# KiCad board TEC.kicad_pcb (continued)
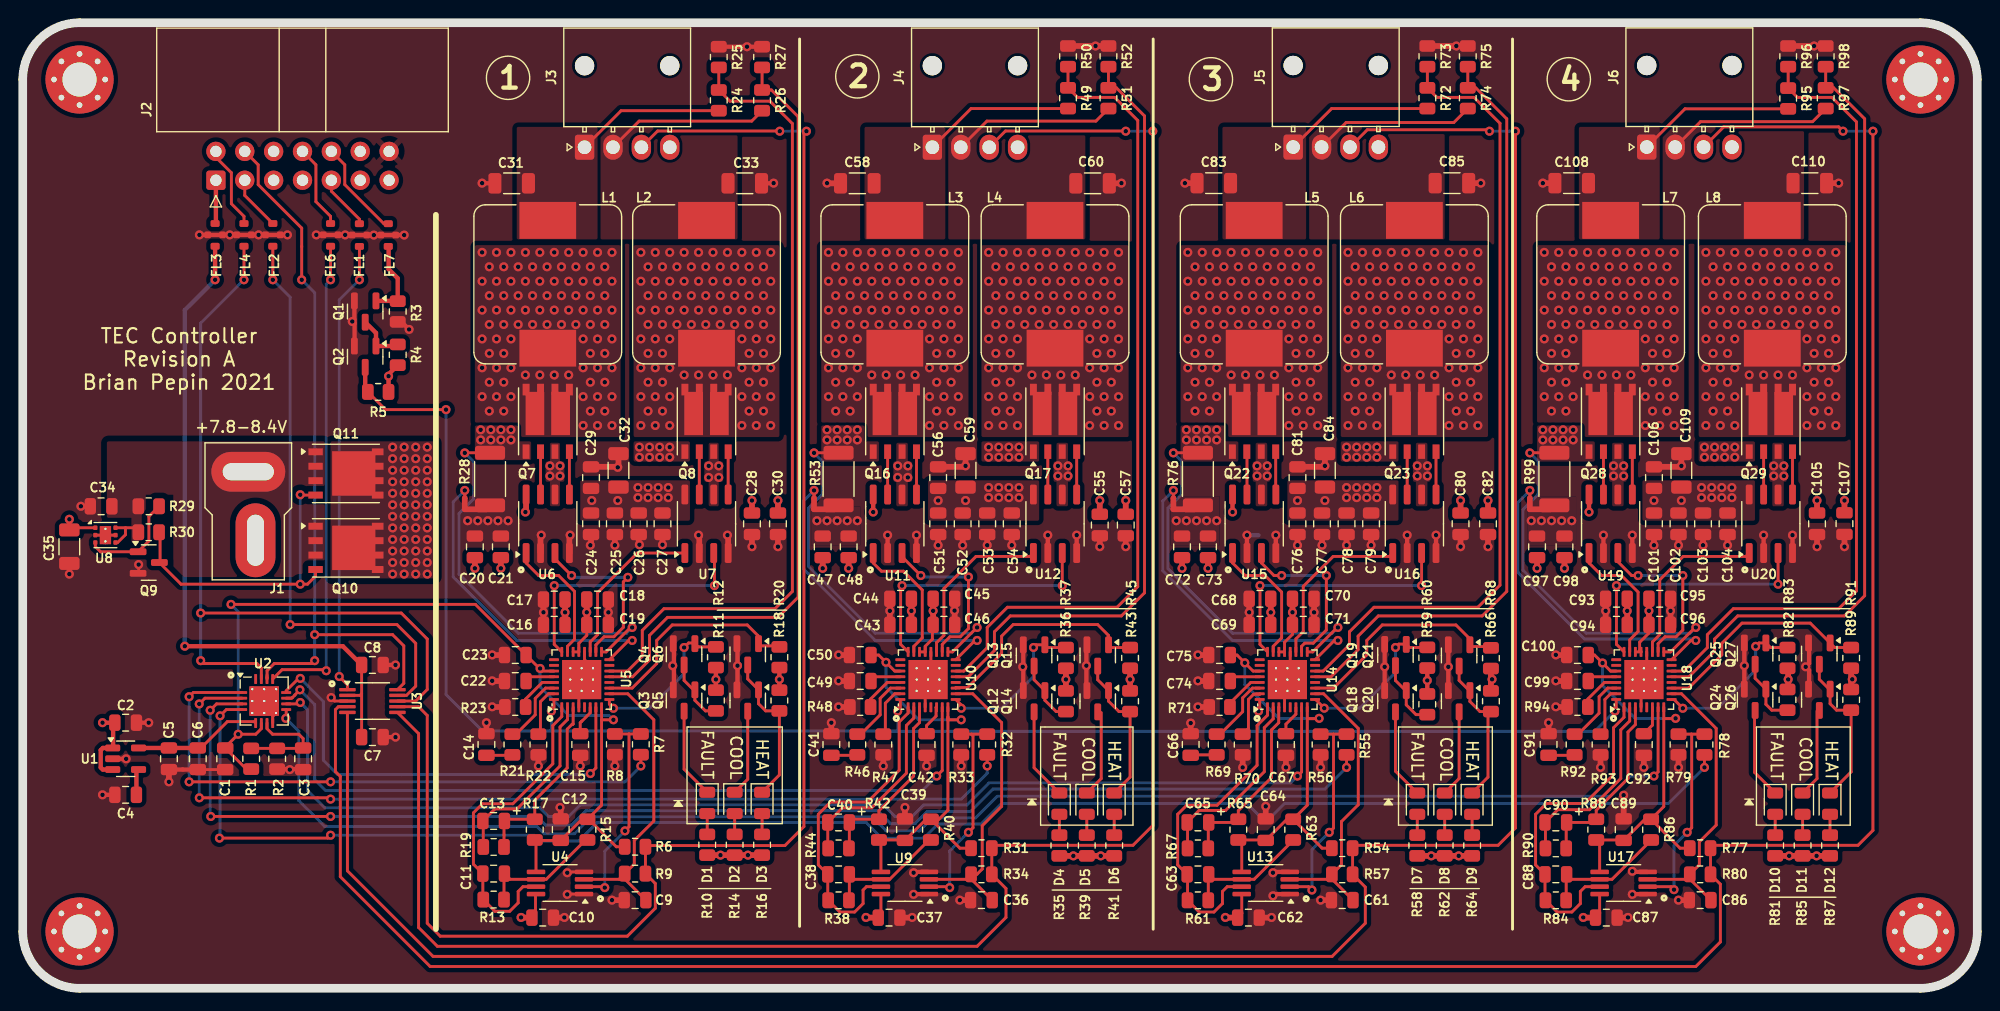
[diagram p0: board, top side]
## Routing (per net, layer and track width the routed paths; a pad name or vN(x,y) marks a point on that pad's centre or on a via; arc(x,y) is an arc through that point) (continued)
/TEMPGET2: length 171.1
  Top w0.254: v1(97.07,75.45) 97.08,75.47 97.18,75.47 86.48,75.47 J4.3 ; U3.6 34.84,22.42 34.84,5.35 36.49,3.7 83.99,3.7 86.53,6.24 86.53,8.78 R34.2 R31.2 85.53,12.59 97.7,12.59 99.45,14.33 v1(99.45,75.45)
  Bottom w0.254: v1(97.07,75.45) v1(99.45,75.45)
/TEMPGET3: length 206.6
  Top w0.254: v1(129.07,75.45) 128.94,75.58 118.32,75.58 J5.3 ; U3.5 28.57,10.34 36.11,2.81 115.23,2.81 118.15,5.73 118.15,8.91 R57.2 R54.2 117.28,12.59 129.83,12.59 131.36,14.11 v1(131.36,75.45)
  Bottom w0.254: v1(129.07,75.45) v1(131.36,75.45)
/TEMPGET4: length 242.6
  Top w0.254: v1(162.82,75.45) 162.82,13.9 161.5,12.59 148.78,12.59 R77.2 R80.2 149.39,9.16 149.39,4.08 147.23,1.92 35.85,1.92 27.95,9.82 27.95,18.65 27.52,19.08 27.52,24.53 27.77,24.79 U3.4 ; J6.3 149.69,75.83 159.8,75.83 v1(160.19,75.45)
  Bottom w0.254: v1(160.19,75.45) v1(162.82,75.45)
/TEMPSET1: length 53.6
  Top w0.254: v1(27.09,18.17) v1(14.64,18.17) ; R7.2 v1(54.39,19.57) ; v1(14.64,25.67) 15.01,26.04 U2.1
  Bottom w0.254: v1(27.09,18.17) 53,18.17 v1(54.39,19.57) ; v1(14.64,25.67) v1(14.64,18.17)
/TEMPSET2: length 84.2
  Top w0.254: U2.2 16.04,25.54 v1(15.53,25.03) ; v1(27.09,16.65) 26.97,16.77 v1(15.54,16.77) ; R32.2 v1(84.87,19.57)
  Bottom w0.254: v1(84.87,19.57) 84.87,18.94 82.59,16.65 v1(27.09,16.65) ; v1(15.54,16.77) 15.53,16.78 v1(15.53,25.03)
/TEMPSET3: length 116.8
  Top w0.254: v1(16.55,15.13) v1(27.09,15.13) ; U2.3 17.05,25.04 v1(16.49,24.47) ; R55.2 v1(116.5,19.44)
  Bottom w0.254: v1(16.55,15.13) 16.49,15.18 v1(16.49,24.47) ; v1(27.09,15.13) 45.25,15.13 46.01,14.36 48.3,14.36 49.57,15.63 75.22,15.63 76.36,14.49 78.52,14.49 79.59,15.56 83.4,15.56 85.38,17.54 114.59,17.54 v1(116.5,19.44)
/TEMPSET4: length 149.8
  Top w0.254: v1(27.09,13.47) 26.83,13.22 v1(17.31,13.22) ; v1(17.37,23.98) 17.92,24.54 U2.4 ; R78.2 v1(147.99,19.44)
  Bottom w0.254: v1(147.99,19.44) 144.82,16.27 111.04,16.27 109.89,15.13 108.88,15.13 107.73,16.27 86.14,16.27 84.33,14.46 80.52,14.46 79.29,13.22 75.6,13.22 74.24,14.59 50.55,14.59 48.93,12.97 45.5,12.97 45,13.47 v1(27.09,13.47) ; v1(17.37,23.98) 17.37,13.28 v1(17.31,13.22)
/VREF: length 83.2
  Top w0.254: v1(51.98,23.64) 50.97,23.64 50.94,23.61 ; U2.6 21,22.86 20.51,22.37 v1(18.96,22.37) 17.82,21.22 ; 50.94,23.61 U5.8 ; 50.94,23.61 50.94,16.12 R15.1 ; R1.1 19.68,19.29 C1.2 ; R6.1 52.23,12.46 49.81,14.88 R15.1 ; R15.1 49.21,14.88 47.35,13.02 45.1,13.02 R17.2 45.17,12.94 U4.5 ; v1(18.33,33.8) 39.83,33.8 C23.1 45.7,27.92 U5.27
  Bottom w0.254: v1(45.53,28.16) 45.53,26.53 48.04,24.02 51.6,24.02 v1(51.98,23.64) ; v1(18.33,33.8) 18.96,33.16 v1(18.96,22.37)
/VREF2: length 9.4
  Top w0.254: U2.7 21.5,22.86 21.99,22.36 24.3,22.36 24.68,21.98 C3.2 24.64,21.12 R2.1 R1.2
Net-(C14-Pad1): length 2.3
  Top w0.254: R21.2 43.05,20.51 C14.1
Net-(C41-Pad1): length 2.3
  Top w0.254: C41.1 73.41,20.51 R46.2
Net-(C66-Pad1): length 2.3
  Top w0.254: R69.2 102.82,20.55 C66.1
Net-(C91-Pad1): length 2.3
  Top w0.254: R92.2 136.53,20.51 C91.1
Net-(D1-A): length 1.8
  Top w0.254: D1.2 R10.1
Net-(D1-K): length 8
  Top w0.254: Q3.3 58.2,19.29 D1.1
Net-(D2-A): length 1.8
  Top w0.254: R14.1 D2.2
Net-(D2-K): length 7.6
  Top w0.254: D2.1 63.8,18.41 Q5.3
Net-(D3-A): length 1.8
  Top w0.254: D3.2 R16.1
Net-(D3-K): length 13.7
  Top w0.254: D3.1 66.59,18.78 R18.1 65.38,24.42 64.75,25.05 64.75,26.28 63.8,27.23 Q6.3
Net-(D4-A): length 1.8
  Top w0.254: R35.1 D4.2
Net-(D4-K): length 8.1
  Top w0.254: D4.1 89,19.41 Q12.3
Net-(D5-A): length 1.8
  Top w0.254: R39.1 D5.2
Net-(D5-K): length 7.6
  Top w0.254: 94.91,24.27 94.91,18.46 D5.1
Net-(D6-A): length 1.8
  Top w0.254: R41.1 D6.2
Net-(D6-K): length 13.5
  Top w0.254: R43.1 97.45,18.59 D6.1 ; R43.1 96.47,24.36 95.55,25.28 Q14.1 94.6,27.16 Q15.3 ; R43.1 97.45,24.38
Net-(D7-A): length 1.8
  Top w0.254: R58.1 D7.2
Net-(D7-K): length 7.9
  Top w0.254: D7.1 120.8,19.11 Q18.3
Net-(D8-A): length 1.8
  Top w0.254: D8.2 R62.1
Net-(D8-K): length 7.6
  Top w0.254: D8.1 126.4,18.46 126.4,24.27
Net-(D9-A): length 1.8
  Top w0.254: R64.1 D9.2
Net-(D9-K): length 13.6
  Top w0.254: 126.4,28.08 126.4,27.1 127.29,26.21 Q20.1 127.35,25.25 128.24,24.36 R66.1 ; D9.1 128.94,18.59 128.94,24.1 R66.1 ; R66.1 128.97,24.36
Net-(D10-A): length 1.8
  Top w0.254: R81.1 D10.2
Net-(D10-K): length 8
  Top w0.254: Q24.3 152.4,24.41 152.4,19.01 D10.1
Net-(D11-A): length 1.8
  Top w0.254: D11.2 R85.1
Net-(D11-K): length 7.7
  Top w0.254: D11.1 157.9,18.46 157.9,24.4
Net-(D12-A): length 1.8
  Top w0.254: R87.1 D12.2
Net-(D12-K): length 13.6
  Top w0.254: D12.1 160.9,19.05 R89.1 159.62,24.48 159.05,25.05 Q26.1 158.97,26.33 158.1,27.2 158.1,28.08 ; 160.64,24.48 160.66,24.48
Net-(J2-Pin_1): length 3.8
  Top w0.381: FL3.3 17,67.39 J2.1
Net-(J2-Pin_2): length 7.4
  Top w0.254: J2.2 17,73.15 18.36,71.79 18.36,69.07 19.47,67.96 FL4.3
Net-(J2-Pin_3): length 4.8
  Top w0.254: J2.3 19.54,69.79 FL2.3
Net-(J2-Pin_8): length 7.4
  Top w0.254: J2.8 25.8,72.49 25.8,69.25 27.09,67.96 FL6.3
Net-(J2-Pin_9): length 4.8
  Top w0.254: FL1.3 29.63,67.7 27.16,70.17 J2.9
Net-(J2-Pin_10): length 8.7
  Top w0.254: J2.10 28.34,72.49 28.34,70.75 31.78,67.31 FL7.3
Net-(Q1-D): length 4.5
  Top w0.381: R4.1 32.86,56.54 Q2.1 31.09,57.69 Q1.3
Net-(Q3-G): length 6.8
  Top w0.254: R11.1 60.08,24.42 59.15,25.35 Q3.1 59.03,26.27 58.2,27.1 Q4.3 ; 60.48,24.42 61.51,24.42
Net-(Q7-D1):
  vias: v1(40.42,64.78) v1(40.42,62.24) v1(40.42,59.7) v1(40.42,57.16) v1(40.42,54.62) v1(40.42,52.08) v1(41.06,63.51) v1(41.06,60.97) v1(41.06,58.43) v1(41.06,55.89) v1(41.06,53.35) v1(41.06,50.81) v1(41.69,64.78) v1(41.69,62.24) v1(41.69,59.7) v1(41.69,57.16) v1(41.69,54.62) v1(41.69,52.08) v1(42.33,63.51) v1(42.33,60.97) v1(42.33,58.43) v1(42.33,55.89) v1(42.33,53.35) v1(42.33,50.81) v1(42.96,64.78) v1(42.96,62.24) v1(42.96,59.7) v1(42.96,57.16) v1(42.96,54.62) v1(42.96,52.08) v1(43.6,63.51) v1(43.6,60.97) v1(43.6,58.43) v1(44.23,64.78) v1(44.23,62.24) v1(44.23,59.7) v1(44.23,53.99) v1(44.87,63.51) v1(44.87,60.97) v1(44.87,58.43) v1(45.5,64.78) v1(45.5,62.24) v1(45.5,59.7) v1(45.5,53.99) v1(46.14,63.51) v1(46.14,60.97) v1(46.14,58.43) v1(46.77,64.78) v1(46.77,62.24) v1(46.77,59.7) v1(46.77,53.99) v1(47.41,63.51) v1(47.41,60.97) v1(47.41,58.43) v1(48.04,64.78) v1(48.04,62.24) v1(48.04,59.7) v1(48.04,53.99) v1(48.68,63.51) v1(48.68,60.97) v1(48.68,58.43) v1(49.31,64.78) v1(49.31,62.24) v1(49.31,59.7) v1(49.31,57.16) v1(49.31,54.62) v1(49.31,52.08) v1(49.31,49.54) v1(49.95,63.51) v1(49.95,60.97) v1(49.95,58.43) v1(49.95,55.89) v1(49.95,53.35) v1(49.95,50.81) v1(50.58,64.78) v1(50.58,62.24) v1(50.58,59.7) v1(50.58,57.16) v1(50.58,54.62) v1(50.58,52.08) v1(50.58,49.54) v1(51.22,63.51) v1(51.22,60.97) v1(51.22,58.43) v1(51.22,55.89) v1(51.22,53.35) v1(51.22,50.81) v1(51.85,64.78) v1(51.85,62.24) v1(51.85,59.7) v1(51.85,57.16) v1(51.85,54.62) v1(51.85,52.08) v1(51.85,49.54)
Net-(Q7-G1): length 3.8
  Top w0.254: Q7.2 U6.7
Net-(Q7-G2): length 3.8
  Top w0.254: Q7.4 U6.5
Net-(Q7-S1): length 34.9
  Top w0.254: R28.2 38.91,47.14 v1(38.9,47.13) ; U5.17 51.34,29.61 53.49,31.76 v1(53.63,31.76)
  Bottom w0.254: v1(38.9,47.13) 39.66,46.37 39.66,43.07 38.39,41.8 38.39,36.46 43.6,31.25 53.12,31.25 v1(53.63,31.76)
  vias: v1(40.3,49.16) v1(40.3,48.27) v1(41.19,49.16) v1(41.19,48.27) v1(42.08,49.16) v1(42.08,48.27) v1(42.96,49.16) v1(42.96,48.27) v1(54.27,47.64) v1(54.27,46.75) v1(55.16,47.64) v1(55.16,46.75) v1(56.05,47.64) v1(56.05,46.75) v1(56.93,47.64) v1(56.93,46.75)
Net-(Q8-D1):
  vias: v1(54.39,64.78) v1(54.39,62.24) v1(54.39,59.7) v1(54.39,57.16) v1(54.39,54.62) v1(54.39,52.08) v1(54.39,49.54) v1(55.03,63.51) v1(55.03,60.97) v1(55.03,58.43) v1(55.03,55.89) v1(55.03,53.35) v1(55.03,50.81) v1(55.66,64.78) v1(55.66,62.24) v1(55.66,59.7) v1(55.66,57.16) v1(55.66,54.62) v1(55.66,52.08) v1(55.66,49.54) v1(56.3,63.51) v1(56.3,60.97) v1(56.3,58.43) v1(56.3,55.89) v1(56.3,53.35) v1(56.3,50.81) v1(56.93,64.78) v1(56.93,62.24) v1(56.93,59.7) v1(56.93,57.16) v1(56.93,54.62) v1(56.93,52.08) v1(56.93,49.54) v1(57.57,63.51) v1(57.57,60.97) v1(57.57,58.43) v1(58.2,64.78) v1(58.2,62.24) v1(58.2,59.7) v1(58.2,53.99) v1(58.84,63.51) v1(58.84,60.97) v1(58.84,58.43) v1(59.47,64.78) v1(59.47,62.24) v1(59.47,59.7) v1(59.47,53.99) v1(60.11,63.51) v1(60.11,60.97) v1(60.11,58.43) v1(60.74,64.78) v1(60.74,62.24) v1(60.74,59.7) v1(60.74,53.99) v1(61.38,63.51) v1(61.38,60.97) v1(61.38,58.43) v1(62.01,64.78) v1(62.01,62.24) v1(62.01,59.7) v1(62.01,53.99) v1(62.65,63.51) v1(62.65,60.97) v1(62.65,58.43) v1(63.28,64.78) v1(63.28,62.24) v1(63.28,59.7) v1(63.28,57.16) v1(63.28,54.62) v1(63.28,52.08) v1(63.28,49.54) v1(63.92,63.51) v1(63.92,60.97) v1(63.92,58.43) v1(63.92,55.89) v1(63.92,53.35) v1(63.92,50.81) v1(64.55,64.78) v1(64.55,62.24) v1(64.55,59.7) v1(64.55,57.16) v1(64.55,54.62) v1(64.55,52.08) v1(64.55,49.54) v1(65.19,63.51) v1(65.19,60.97) v1(65.19,58.43) v1(65.19,55.89) v1(65.19,53.35) v1(65.19,50.81) v1(65.82,64.78) v1(65.82,62.24) v1(65.82,59.7) v1(65.82,57.16) v1(65.82,54.62) v1(65.82,52.08) v1(65.82,49.54)
Net-(Q8-G1): length 3.8
  Top w0.254: Q8.2 U7.7
Net-(Q8-G2): length 3.8
  Top w0.254: Q8.4 U7.5
Net-(Q9-G): length 9.1
  Top w0.254: U8.3 6.39,38.88 6.85,38.43 Q9.1 11.1,39.38 11.1,41.53 R29.1
Net-(Q10-G): length 27.3
  Top w0.254: R30.1 12.09,40.06 12.09,37.42 13.93,35.57 v1(24.42,35.57) 25.06,35.57 25.77,36.29 Q10.4 ; v1(24.42,43.45) 24.45,43.42 Q11.4
  Bottom w0.254: v1(24.42,35.57) 24.42,35.57 v1(24.42,43.45)
Net-(Q12-G): length 6.2
  Top w0.254: 92.37,24.36 90.94,24.36 89.95,25.35 Q12.1 89,27.16 Q13.3
Net-(Q16-D1):
  vias: v1(70.9,64.78) v1(70.9,62.24) v1(70.9,59.7) v1(70.9,57.16) v1(70.9,54.62) v1(70.9,52.08) v1(71.54,63.51) v1(71.54,60.97) v1(71.54,58.43) v1(71.54,55.89) v1(71.54,53.35) v1(71.54,50.81) v1(72.17,64.78) v1(72.17,62.24) v1(72.17,59.7) v1(72.17,57.16) v1(72.17,54.62) v1(72.17,52.08) v1(72.81,63.51) v1(72.81,60.97) v1(72.81,58.43) v1(72.81,55.89) v1(72.81,53.35) v1(72.81,50.81) v1(73.44,64.78) v1(73.44,62.24) v1(73.44,59.7) v1(73.44,57.16) v1(73.44,54.62) v1(73.44,52.08) v1(74.08,63.51) v1(74.08,60.97) v1(74.08,58.43) v1(74.71,64.78) v1(74.71,62.24) v1(74.71,59.7) v1(74.71,53.99) v1(75.35,63.51) v1(75.35,60.97) v1(75.35,58.43) v1(75.98,64.78) v1(75.98,62.24) v1(75.98,59.7) v1(75.98,53.99) v1(76.62,63.51) v1(76.62,60.97) v1(76.62,58.43) v1(77.25,64.78) v1(77.25,62.24) v1(77.25,59.7) v1(77.25,53.99) v1(77.89,63.51) v1(77.89,60.97) v1(77.89,58.43) v1(78.52,64.78) v1(78.52,62.24) v1(78.52,59.7) v1(78.52,53.99) v1(79.16,63.51) v1(79.16,60.97) v1(79.16,58.43) v1(79.79,64.78) v1(79.79,62.24) v1(79.79,59.7) v1(79.79,57.16) v1(79.79,54.62) v1(79.79,52.08) v1(79.79,49.54) v1(80.43,63.51) v1(80.43,60.97) v1(80.43,58.43) v1(80.43,55.89) v1(80.43,53.35) v1(80.43,50.81) v1(81.06,64.78) v1(81.06,62.24) v1(81.06,59.7) v1(81.06,57.16) v1(81.06,54.62) v1(81.06,52.08) v1(81.06,49.54) v1(81.7,63.51) v1(81.7,60.97) v1(81.7,58.43) v1(81.7,55.89) v1(81.7,53.35) v1(81.7,50.81) v1(82.33,64.78) v1(82.33,62.24) v1(82.33,59.7) v1(82.33,57.16) v1(82.33,54.62) v1(82.33,52.08) v1(82.33,49.54)
Net-(Q16-G1): length 3.8
  Top w0.254: 76.11,43.47 76.11,47.24
Net-(Q16-G2): length 3.8
  Top w0.254: 78.65,43.47 78.65,47.24
Net-(Q16-S1): length 33.9
  Top w0.254: U10.17 81.82,29.61 83.97,31.76 v1(83.99,31.76) ; v1(69.63,47.13) 69.64,47.14 R53.2
  Bottom w0.254: v1(69.63,47.13) 70.36,46.4 70.36,43.48 69.16,42.27 69.16,37.13 75.03,31.25 83.48,31.25 v1(83.99,31.76)
  vias: v1(70.78,49.16) v1(70.78,48.27) v1(71.67,49.16) v1(71.67,48.27) v1(72.56,49.16) v1(72.56,48.27) v1(73.44,49.16) v1(73.44,48.27) v1(85,47.64) v1(85,46.75) v1(85.89,47.64) v1(85.89,46.75) v1(86.78,47.64) v1(86.78,46.75) v1(87.67,47.64) v1(87.67,46.75)
Net-(Q17-D1):
  vias: v1(85,64.78) v1(85,62.24) v1(85,59.7) v1(85,57.16) v1(85,54.62) v1(85,52.08) v1(85,49.54) v1(85.64,63.51) v1(85.64,60.97) v1(85.64,58.43) v1(85.64,55.89) v1(85.64,53.35) v1(85.64,50.81) v1(86.27,64.78) v1(86.27,62.24) v1(86.27,59.7) v1(86.27,57.16) v1(86.27,54.62) v1(86.27,52.08) v1(86.27,49.54) v1(86.91,63.51) v1(86.91,60.97) v1(86.91,58.43) v1(86.91,55.89) v1(86.91,53.35) v1(86.91,50.81) v1(87.54,64.78) v1(87.54,62.24) v1(87.54,59.7) v1(87.54,57.16) v1(87.54,54.62) v1(87.54,52.08) v1(87.54,49.54) v1(88.18,63.51) v1(88.18,60.97) v1(88.18,58.43) v1(88.81,64.78) v1(88.81,62.24) v1(88.81,59.7) v1(88.81,53.99) v1(89.45,63.51) v1(89.45,60.97) v1(89.45,58.43) v1(90.08,64.78) v1(90.08,62.24) v1(90.08,59.7) v1(90.08,53.99) v1(90.72,63.51) v1(90.72,60.97) v1(90.72,58.43) v1(91.35,64.78) v1(91.35,62.24) v1(91.35,59.7) v1(91.35,53.99) v1(91.99,63.51) v1(91.99,60.97) v1(91.99,58.43) v1(92.62,64.78) v1(92.62,62.24) v1(92.62,59.7) v1(92.62,53.99) v1(93.26,63.51) v1(93.26,60.97) v1(93.26,58.43) v1(93.89,64.78) v1(93.89,62.24) v1(93.89,59.7) v1(93.89,57.16) v1(93.89,54.62) v1(93.89,52.08) v1(93.89,49.54) v1(94.53,63.51) v1(94.53,60.97) v1(94.53,58.43) v1(94.53,55.89) v1(94.53,53.35) v1(94.53,50.81) v1(95.16,64.78) v1(95.16,62.24) v1(95.16,59.7) v1(95.16,57.16) v1(95.16,54.62) v1(95.16,52.08) v1(95.16,49.54) v1(95.8,63.51) v1(95.8,60.97) v1(95.8,58.43) v1(95.8,55.89) v1(95.8,53.35) v1(95.8,50.81) v1(96.43,64.78) v1(96.43,62.24) v1(96.43,59.7) v1(96.43,57.16) v1(96.43,54.62) v1(96.43,52.08) v1(96.43,49.54)
Net-(Q17-G1): length 3.8
  Top w0.254: U12.7 Q17.2
Net-(Q17-G2): length 3.8
  Top w0.254: U12.5 Q17.4
Net-(Q18-G): length 6.1
  Top w0.254: R59.1 122.61,24.09 121.75,24.95 Q18.1 121.69,26.21 120.8,27.1 Q19.3
Net-(Q22-D1):
  vias: v1(102.53,64.78) v1(102.53,62.24) v1(102.53,59.7) v1(102.53,57.16) v1(102.53,54.62) v1(102.53,52.08) v1(103.16,63.51) v1(103.16,60.97) v1(103.16,58.43) v1(103.16,55.89) v1(103.16,53.35) v1(103.16,50.81) v1(103.8,64.78) v1(103.8,62.24) v1(103.8,59.7) v1(103.8,57.16) v1(103.8,54.62) v1(103.8,52.08) v1(104.43,63.51) v1(104.43,60.97) v1(104.43,58.43) v1(104.43,55.89) v1(104.43,53.35) v1(104.43,50.81) v1(105.07,64.78) v1(105.07,62.24) v1(105.07,59.7) v1(105.07,57.16) v1(105.07,54.62) v1(105.07,52.08) v1(105.7,63.51) v1(105.7,60.97) v1(105.7,58.43) v1(106.34,64.78) v1(106.34,62.24) v1(106.34,59.7) v1(106.34,53.99) v1(106.97,63.51) v1(106.97,60.97) v1(106.97,58.43) v1(107.61,64.78) v1(107.61,62.24) v1(107.61,59.7) v1(107.61,53.99) v1(108.24,63.51) v1(108.24,60.97) v1(108.24,58.43) v1(108.88,64.78) v1(108.88,62.24) v1(108.88,59.7) v1(108.88,53.99) v1(109.51,63.51) v1(109.51,60.97) v1(109.51,58.43) v1(110.15,64.78) v1(110.15,62.24) v1(110.15,59.7) v1(110.15,53.99) v1(110.78,63.51) v1(110.78,60.97) v1(110.78,58.43) v1(111.42,64.78) v1(111.42,62.24) v1(111.42,59.7) v1(111.42,57.16) v1(111.42,54.62) v1(111.42,52.08) v1(111.42,49.54) v1(112.05,63.51) v1(112.05,60.97) v1(112.05,58.43) v1(112.05,55.89) v1(112.05,53.35) v1(112.05,50.81) v1(112.69,64.78) v1(112.69,62.24) v1(112.69,59.7) v1(112.69,57.16) v1(112.69,54.62) v1(112.69,52.08) v1(112.69,49.54) v1(113.32,63.51) v1(113.32,60.97) v1(113.32,58.43) v1(113.32,55.89) v1(113.32,53.35) v1(113.32,50.81) v1(113.96,64.78) v1(113.96,62.24) v1(113.96,59.7) v1(113.96,57.16) v1(113.96,54.62) v1(113.96,52.08) v1(113.96,49.54)
Net-(Q22-G1): length 3.8
  Top w0.254: U15.7 107.73,47.22 Q22.2
Net-(Q22-G2): length 3.8
  Top w0.254: Q22.4 110.26,43.48 U15.5
Net-(Q22-S1): length 34.3
  Top w0.254: v1(101.26,47.13) 101.27,47.14 R76.2 ; v1(115.74,31.76) 115.67,31.76 113.52,29.61 U14.17
  Bottom w0.254: v1(101.26,47.13) 101.99,46.4 101.99,43.48 100.78,42.27 100.78,36.94 106.46,31.25 115.23,31.25 v1(115.74,31.76)
  vias: v1(102.4,49.16) v1(102.4,48.27) v1(103.29,49.16) v1(103.29,48.27) v1(104.18,49.16) v1(104.18,48.27) v1(105.07,49.16) v1(105.07,48.27) v1(116.5,47.64) v1(116.5,46.75) v1(117.39,47.64) v1(117.39,46.75) v1(118.28,47.64) v1(118.28,46.75) v1(119.16,47.64) v1(119.16,46.75)
Net-(Q23-D1):
  vias: v1(116.62,64.78) v1(116.62,62.24) v1(116.62,59.7) v1(116.62,57.16) v1(116.62,54.62) v1(116.62,52.08) v1(116.62,49.54) v1(117.26,63.51) v1(117.26,60.97) v1(117.26,58.43) v1(117.26,55.89) v1(117.26,53.35) v1(117.26,50.81) v1(117.89,64.78) v1(117.89,62.24) v1(117.89,59.7) v1(117.89,57.16) v1(117.89,54.62) v1(117.89,52.08) v1(117.89,49.54) v1(118.53,63.51) v1(118.53,60.97) v1(118.53,58.43) v1(118.53,55.89) v1(118.53,53.35) v1(118.53,50.81) v1(119.16,64.78) v1(119.16,62.24) v1(119.16,59.7) v1(119.16,57.16) v1(119.16,54.62) v1(119.16,52.08) v1(119.16,49.54) v1(119.8,63.51) v1(119.8,60.97) v1(119.8,58.43) v1(120.43,64.78) v1(120.43,62.24) v1(120.43,59.7) v1(120.43,53.99) v1(121.07,63.51) v1(121.07,60.97) v1(121.07,58.43) v1(121.7,64.78) v1(121.7,62.24) v1(121.7,59.7) v1(121.7,53.99) v1(122.34,63.51) v1(122.34,60.97) v1(122.34,58.43) v1(122.97,64.78) v1(122.97,62.24) v1(122.97,59.7) v1(122.97,53.99) v1(123.61,63.51) v1(123.61,60.97) v1(123.61,58.43) v1(124.24,64.78) v1(124.24,62.24) v1(124.24,59.7) v1(124.24,53.99) v1(124.88,63.51) v1(124.88,60.97) v1(124.88,58.43) v1(125.51,64.78) v1(125.51,62.24) v1(125.51,59.7) v1(125.51,57.16) v1(125.51,54.62) v1(125.51,52.08) v1(125.51,49.54) v1(126.15,63.51) v1(126.15,60.97) v1(126.15,58.43) v1(126.15,55.89) v1(126.15,53.35) v1(126.15,50.81) v1(126.78,64.78) v1(126.78,62.24) v1(126.78,59.7) v1(126.78,57.16) v1(126.78,54.62) v1(126.78,52.08) v1(126.78,49.54) v1(127.42,63.51) v1(127.42,60.97) v1(127.42,58.43) v1(127.42,55.89) v1(127.42,53.35) v1(127.42,50.81) v1(128.05,64.78) v1(128.05,62.24) v1(128.05,59.7) v1(128.05,57.16) v1(128.05,54.62) v1(128.05,52.08) v1(128.05,49.54)
Net-(Q23-G1): length 3.8
  Top w0.254: Q23.2 U16.7
Net-(Q23-G2): length 3.8
  Top w0.254: U16.5 Q23.4
Net-(Q24-G): length 6
  Top w0.254: R82.1 153.92,24.48 153.4,25 Q24.1 152.45,27.28 Q25.3
Net-(Q28-D1):
  vias: v1(133.9,64.78) v1(133.9,62.24) v1(133.9,59.7) v1(133.9,57.16) v1(133.9,54.62) v1(133.9,52.08) v1(134.53,63.51) v1(134.53,60.97) v1(134.53,58.43) v1(134.53,55.89) v1(134.53,53.35) v1(134.53,50.81) v1(135.17,64.78) v1(135.17,62.24) v1(135.17,59.7) v1(135.17,57.16) v1(135.17,54.62) v1(135.17,52.08) v1(135.8,63.51) v1(135.8,60.97) v1(135.8,58.43) v1(135.8,55.89) v1(135.8,53.35) v1(135.8,50.81) v1(136.44,64.78) v1(136.44,62.24) v1(136.44,59.7) v1(136.44,57.16) v1(136.44,54.62) v1(136.44,52.08) v1(137.07,63.51) v1(137.07,60.97) v1(137.07,58.43) v1(137.71,64.78) v1(137.71,62.24) v1(137.71,59.7) v1(137.71,53.99) v1(138.34,63.51) v1(138.34,60.97) v1(138.34,58.43) v1(138.98,64.78) v1(138.98,62.24) v1(138.98,59.7) v1(138.98,53.99) v1(139.61,63.51) v1(139.61,60.97) v1(139.61,58.43) v1(140.25,64.78) v1(140.25,62.24) v1(140.25,59.7) v1(140.25,53.99) v1(140.88,63.51) v1(140.88,60.97) v1(140.88,58.43) v1(141.52,64.78) v1(141.52,62.24) v1(141.52,59.7) v1(141.52,53.99) v1(142.15,63.51) v1(142.15,60.97) v1(142.15,58.43) v1(142.79,64.78) v1(142.79,62.24) v1(142.79,59.7) v1(142.79,57.16) v1(142.79,54.62) v1(142.79,52.08) v1(142.79,49.54) v1(143.42,63.51) v1(143.42,60.97) v1(143.42,58.43) v1(143.42,55.89) v1(143.42,53.35) v1(143.42,50.81) v1(144.06,64.78) v1(144.06,62.24) v1(144.06,59.7) v1(144.06,57.16) v1(144.06,54.62) v1(144.06,52.08) v1(144.06,49.54) v1(144.69,63.51) v1(144.69,60.97) v1(144.69,58.43) v1(144.69,55.89) v1(144.69,53.35) v1(144.69,50.81) v1(145.33,64.78) v1(145.33,62.24) v1(145.33,59.7) v1(145.33,57.16) v1(145.33,54.62) v1(145.33,52.08) v1(145.33,49.54)
Net-(Q28-G1): length 3.8
  Top w0.254: Q28.2 U19.7
Net-(Q28-G2): length 3.8
  Top w0.254: Q28.4 U19.5
Net-(Q28-S1): length 34.8
  Top w0.254: v1(147.23,31.76) 147.17,31.76 145.02,29.61 U18.17 ; v1(132.63,47.13) 132.74,47.14 R99.2
  Bottom w0.254: v1(132.63,47.13) 133.36,46.4 133.36,43.48 132.02,42.14 132.02,36.81 137.58,31.25 146.72,31.25 v1(147.23,31.76)